# KiCad board AudioYM2151V2.kicad_pcb (continued)
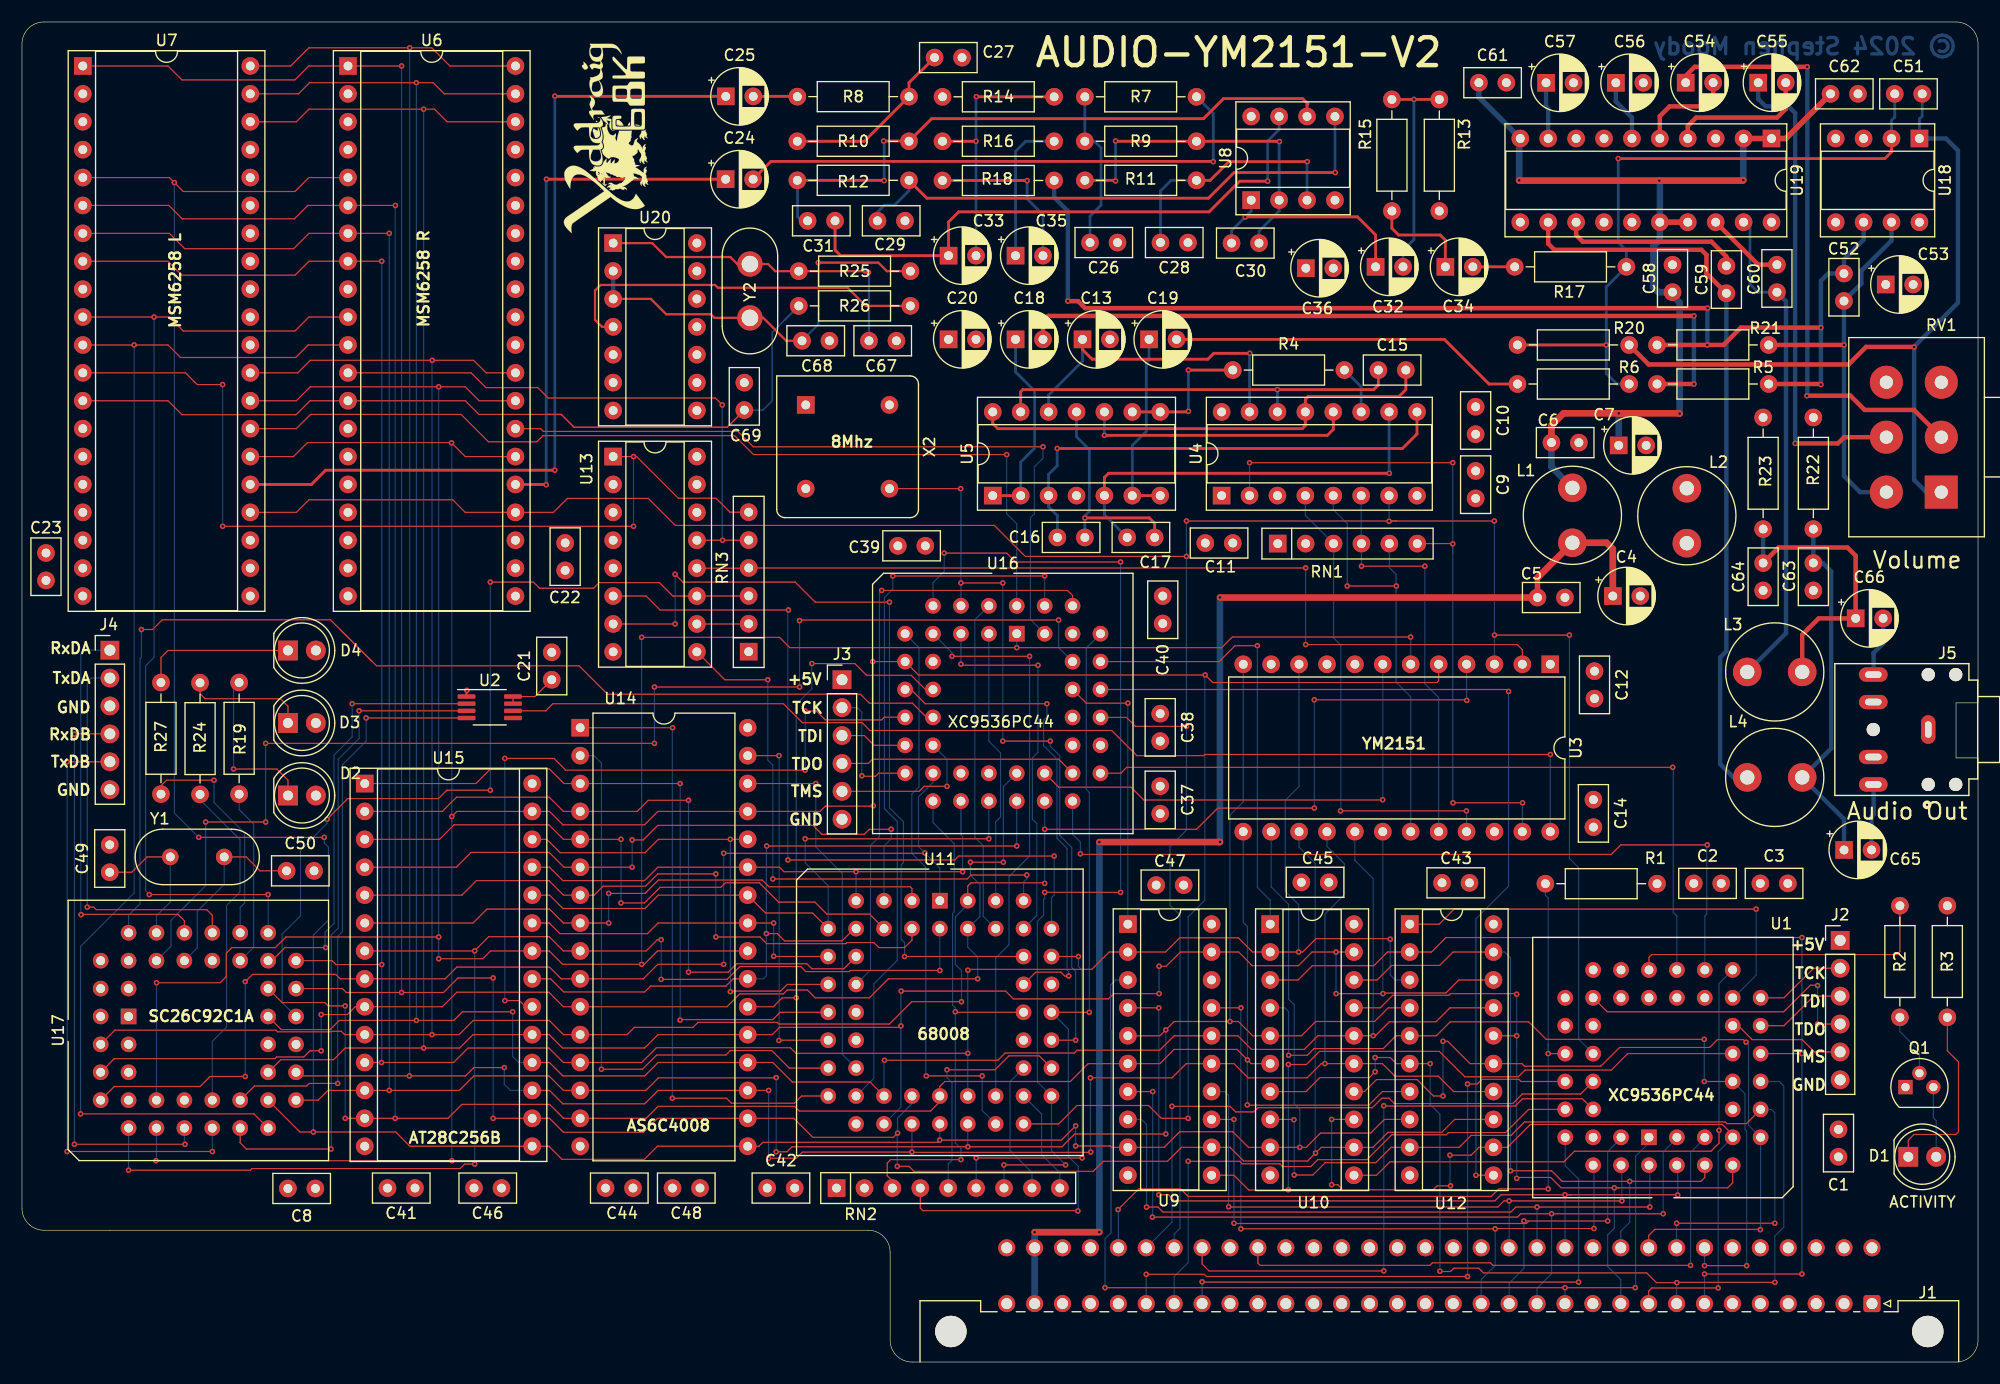
[diagram p0: board, top side]
## Routing (per net, layer and track width the routed paths; a pad name or vN(x,y) marks a point on that pad's centre or on a via; arc(x,y) is an arc through that point) (continued)
/Audio/CPU/~{IPL2}: length 70.3
  Top w0.102: U13.6 56.79,69.74 58.06,68.47 v1(69.75,68.47) ; v1(69.7,45.71) 84.89,45.71 85.24,46.06 v1(93.93,46.06)
  Bottom w0.102: v1(69.75,68.47) 69.7,68.42 v1(69.7,45.71) ; U11.46 93.68,42.26 93.93,42.51 v1(93.93,46.06)
/Audio/CPU/~{RD}: length 250.3
  Top w0.102: U7.28 24.97,87.52 26.24,88.79 v1(37.92,88.79) 40.33,88.79 41.6,87.52 U6.28 ; v1(37.92,38.7) 24.03,38.7 23.06,37.73 19.1,37.73 18.59,37.22 18.59,35.09 18.03,34.53 v1(12.24,34.53) ; U14.24 57.83,37.43 56.62,36.21 v1(56.39,36.21) 49.2,36.21 47.98,37.43 U15.22 42.65,37.43 41.93,36.72 v1(37.92,36.72) ; v1(126.36,66) 110.13,66 109.17,65.04 v1(90.52,65.04) 69.87,65.04 68.93,65.98 v1(56.39,65.98)
  Bottom w0.102: v1(37.92,88.79) v1(37.92,38.7) v1(37.92,36.72) ; v1(56.39,65.98) v1(56.39,36.21) ; v1(126.36,66) 126.38,65.99 U3.6 ; v1(12.24,34.53) 12.24,34.53 U17.10 ; U16.1 v1(90.52,65.04)
/Audio/CPU/~{READ_DATA}: length 40.7
  Top w0.102: U16.37 108.94,63.77 110.39,65.21 v1(112.42,65.21)
  Bottom w0.102: v1(112.42,65.21) 112.42,43.22 113.59,42.05 U10.1
/Audio/CPU/~{READ_REG}: length 25.7
  Top w0.102: v1(100.63,59.98) 96.85,59.98 U16.36
  Bottom w0.102: U9.1 v1(100.63,59.98)
/Audio/CPU/~{RESET}: length 49.4
  Top w0.102: v1(85.44,18.43) 79.04,18.43 78.74,18.12 78.74,16.95 79.21,16.49 RN2.3 ; v1(84.94,31.89) 84.99,31.84 U11.41
  Bottom w0.102: U16.18 82.9,49.11 84.83,47.18 84.83,40.98 84.68,40.83 84.68,32.5 84.94,32.25 v1(84.94,31.89) 84.94,19.95 85.44,19.44 v1(85.44,18.43)
/Audio/CPU/~{SPI_CS}: length 53
  Top w0.102: v1(28.73,25.36) 26.14,25.36 25.91,25.13 21.15,25.13 U17.16 ; U2.4 v1(31.32,58.63)
  Bottom w0.102: v1(28.73,25.36) 28.73,38.75 29.16,39.18 29.16,54.37 31.32,56.53 v1(31.32,58.63)
/Audio/CPU/~{VPA}: length 44
  Top w0.102: U16.11 80.9,61.23 82.19,59.93 v1(93.27,59.93) ; v1(95.25,35.14) 94.89,35.14 94.54,35.5 92.26,35.5 U11.43
  Bottom w0.102: v1(95.25,35.14) 95.25,35.55 95.1,35.7 95.1,46.77 94.18,47.69 94.18,54.9 92.96,56.12 92.96,58.42 93.27,58.72 v1(93.27,59.93)
/Audio/CPU/~{WR}: length 284.8
  Top w0.102: U6.26 40.33,82.44 v1(39.09,83.68) 39.06,83.71 25.98,83.71 24.71,82.44 U7.26 ; v1(12.19,18.33) v1(39.11,18.33) ; v1(39.11,49.67) 39.57,50.13 U15.27 48,50.13 49.22,48.91 56.64,48.91 57.86,50.13 U14.29 72.62,50.13 73.1,50.61 77.44,50.61 v1(77.47,50.64) ; U3.5 128.91,62.03 128.75,61.86 108.36,61.86 v1(107.67,62.55) 81.58,62.55 U16.9 v1(77.42,63.77) ; U11.33 94.33,21.68 96.01,23.36 102.51,23.36 103.68,22.19 v1(106.12,22.19)
  Bottom w0.102: v1(39.09,83.68) 39.11,83.66 39.11,49.21 ; v1(39.11,18.33) 39.11,49.21 ; 39.11,49.21 v1(39.11,49.67) ; v1(77.47,50.64) 77.47,63.72 v1(77.42,63.77) ; v1(12.19,18.33) 12.24,18.38 U17.9 ; v1(107.67,62.55) 107.64,62.52 107.64,42.05 106.12,40.53 v1(106.12,22.19)
/Audio/YM2151/BC: length 38
  Top w0.254: C15.2 123.43,88.95 123.01,88.53 v1(114.25,88.53) 91.08,88.53 90.88,88.33 U5.13
  Bottom w0.254: U4.14 v1(114.25,88.53)
/Audio/YM2151/CH1: length 44.1
  Top w0.254: U4.9 126.95,84.49 125.63,83.17 v1(94.21,83.17)
  Bottom w0.254: v1(94.21,83.17) 94.21,81.6 93.42,80.81 U5.3 93.42,77.86 94.22,77.06 C16.2
/Audio/YM2151/CH2: length 38
  Top w0.254: v1(124.43,80.91) 98.88,80.91 98.5,80.53 U5.5
  Bottom w0.254: C17.2 98.5,77.14 U5.5 ; U4.10 124.41,80.94 v1(124.43,80.91)
/Audio/YM2151/MP: length 43.5
  Top w0.254: C15.1 125.93,88.53 125.3,87.9 117.04,87.9 116.79,87.64 U4.13 116.79,85.26 116.51,84.98 88.8,84.98 88.34,85.43 U5.14
/Audio/YM2151/RB: length 30
  Top w0.254: C13.1 96.51,92.17 97.38,91.3 107.92,91.3 108.46,91.83 v1(111.73,91.83)
  Bottom w0.254: v1(111.73,91.83) 111.71,91.81 U4.15 ; C13.1 96.51,91.11 93.42,88.02 U5.12
/D0: length 95.9
  Top w0.102: v1(161.97,38.65) 129.59,38.65 128.27,37.33 U12.2 124.26,37.33 123.01,36.08 117.42,36.08 116.13,34.79 U10.3 ; v1(161.97,8.01) v1(153.11,8.01) ; U1.13 v1(161.97,28.08)
  Bottom w0.102: v1(161.97,38.65) v1(161.97,28.08) v1(161.97,8.01) ; v1(153.11,8.01) J1.A7
/D1: length 74.7
  Top w0.102: U1.12 v1(153.08,25.54) ; v1(115.26,27.93) 116.97,27.93 117.58,28.54 123.87,28.54 125.04,29.71 U12.5 128.7,29.71 129.97,30.98 137.11,30.98 138.71,29.38 v1(153.08,29.38) ; v1(156.95,8.78) v1(153.11,8.78)
  Bottom w0.102: v1(115.26,27.93) 115.26,31.89 114.91,32.25 U10.4 ; v1(153.08,25.54) v1(153.08,29.38) ; v1(156.95,8.78) 156.95,21.02 156.79,21.17 156.79,24.42 U1.12 ; v1(153.11,8.78) J1.C7
/D2: length 89.7
  Top w0.102: v1(123.14,27.72) 124.51,27.72 125.07,27.17 U12.6 v1(128.14,27.17) ; v1(129.03,8.27) 129.06,8.24 130,8.24 130.3,8.55 132.56,8.55 132.99,8.12 147.85,8.12 148.74,7.23 v1(150.6,7.23) 150.62,7.25 v1(159.51,7.25) ; U10.7 116.84,24.63 118.11,25.9 122.6,25.9 v1(123.14,26.43)
  Bottom w0.102: v1(159.51,7.25) 159.51,11.47 160.32,12.28 160.32,25.13 159.92,25.54 U1.11 ; v1(150.6,7.23) 150.57,7.2 J1.A8 ; v1(123.14,27.72) v1(123.14,26.43) ; v1(129.03,8.27) 129.03,22.57 128.14,23.46 v1(128.14,27.17)
/D3: length 74.9
  Top w0.102: U1.9 156.92,21.7 155.14,21.7 154.99,21.86 136.73,21.86 135.51,20.64 131.88,20.64 130.78,19.55 U12.9 124.59,19.55 123.19,18.15 118.59,18.15 117.47,17.03 v1(115.77,17.03) ; v1(159.51,12.64) v1(150.57,12.64) ; v1(115.75,22.06) 115.72,22.09 U10.8
  Bottom w0.102: U1.9 159.21,23 159.51,22.7 v1(159.51,12.64) ; v1(150.57,12.64) J1.C8 ; v1(115.75,22.06) 115.77,22.03 v1(115.77,17.03)
/D4: length 71.3
  Top w0.102: v1(119.18,16.14) 119.73,16.14 120.19,15.68 128.42,15.68 128.78,16.04 v1(130,16.04) ; U1.8 155.68,20.69 154.74,21.63 137.26,21.63 135.18,19.55 U12.12 132.59,19.55 131.88,18.83 v1(129.95,18.83) ; v1(119.18,22.09) U10.13 ; v1(154.35,6.74) 148.31,6.74 148.03,6.46 J1.A9
  Bottom w0.102: v1(154.35,6.74) 154.35,19.14 U1.8 ; v1(130,16.04) 129.95,16.09 v1(129.95,18.83) ; v1(119.18,16.14) v1(119.18,22.09)
/D5: length 72.9
  Top w0.102: v1(156.89,29.12) 156.67,29.35 154.28,29.35 153.57,28.64 145.39,28.64 143.69,26.94 136.73,26.94 136.5,27.17 U12.15 131.77,27.17 129.74,29.2 v1(129.31,29.2) ; U10.14 122.17,24.63 123.26,25.72 126.95,25.72 128.45,24.22 v1(129.31,24.22) ; J1.C9 148.03,11.52 148.59,12.08 158.16,12.08 v1(158.19,12.05)
  Bottom w0.102: v1(129.31,24.22) v1(129.31,29.2) ; v1(158.19,12.05) 158.22,12.08 U1.7 157.12,21.55 157.12,28.89 v1(156.89,29.12)
/D6: length 68.7
  Top w0.102: 145.29,15.86 v1(144.91,15.86) ; 145.29,15.86 155.22,15.86 155.68,16.32 U1.6 ; 145.29,15.86 140.05,15.86 139.11,16.8 135.99,16.8 ; U10.17 123.6,32.25 124.74,33.39 129.85,33.39 130,33.54 135.97,33.54 v1(136.02,33.49) ; v1(136.02,29.71) U12.16
  Bottom w0.102: v1(144.91,15.86) 144.91,12.18 144.3,11.57 144.3,8.7 145.49,7.51 J1.A10 ; 136.02,28.66 v1(136.02,33.49) ; 136.02,28.66 v1(136.02,29.71) ; 136.02,28.66 136.02,16.83 135.99,16.8
  vias: v1(136.02,16.73)
/D7: length 61
  Top w0.102: 146.63,16.45 v1(146.3,16.45) ; 146.63,16.45 152.78,16.45 153.14,16.8 U1.4 ; 146.63,16.45 140.16,16.45 139.19,17.41 v1(135.46,17.41) ; U12.19 130.22,37.33 129.01,36.11 124.64,36.11 123.32,34.79 U10.18
  Bottom w0.102: J1.C10 145.49,11.9 146.3,12.71 v1(146.3,16.45) ; U12.19 134.92,37.33 135.46,36.79 v1(135.46,17.41)
/LATCH_DATA: length 50.7
  Top w0.102: U10.11 123.26,17.01 124.48,18.22 140.31,18.22 141.27,19.19 153.69,19.19 154.43,19.93 v1(154.43,21.09)
  Bottom w0.102: U1.18 154.43,34.46 v1(154.43,21.09)
/LATCH_REG: length 61.7
  Top w0.102: v1(115.24,27.09) 116.89,27.09 118.08,28.28 128.98,28.28 131.29,25.97 136.17,25.97 136.78,26.58 144.63,26.58 146.12,28.08 U1.14 ; v1(115.24,15.68) 115.21,15.66 111.63,15.66 110.29,17.01 U9.11
  Bottom w0.102: v1(115.24,15.68) v1(115.24,27.09)
/LED: length 28.4
  Top w0.102: R2.2 170.89,37.38 170.61,37.1 148.31,37.1 148.06,36.84 U1.24
/R~{W}: length 50.2
  Top w0.102: v1(106.12,18.28) 110.82,18.28 111.05,18.05 114.45,18.05 114.71,17.79 117.28,17.79 117.92,18.43 122.39,18.43 124.65,20.69 129.62,20.69 129.82,20.89 135,20.89 137.11,23 U1.37
  Bottom w0.102: J1.A26 104.85,7.79 106.12,9.06 v1(106.12,18.28)
/SYS_CLK: length 53.3
  Top w0.102: J1.C23 112.47,9 112.67,8.8 128.12,8.8 128.34,9.03 133.63,9.03 133.86,8.8 v1(151.84,8.8)
  Bottom w0.102: v1(151.84,8.8) 151.84,19.09 153.21,20.46
/~{ACK_68K}: length 70.9
  Top w0.102: U16.29 100,53.61 100.53,54.14 v1(150.21,54.14)
  Bottom w0.102: v1(150.21,54.14) 150.27,54.09 150.27,40.93 150.6,40.6 U1.22
/~{CS_68K}: length 74
  Top w0.102: v1(96.32,46.27) 96.37,46.22 144.63,46.22 145.49,47.08 v1(153.36,47.08)
  Bottom w0.102: U16.28 95.6,48.04 96.32,47.33 v1(96.32,46.27) ; v1(153.36,47.08) 153.31,47.03 153.31,40.78 153.14,40.6 U1.20
/~{CS_DATA}: length 53.9
  Top w0.102: v1(104.65,23.28) 109.93,23.28 110.44,22.77 112.06,22.77 112.44,23.15 122.88,23.15 123.75,24.02 124.41,24.02 124.89,23.53 135.66,23.53 136.52,24.4 141.83,24.4 U1.36
  Bottom w0.102: J1.C27 104.65,12.74 v1(104.65,23.28)
/~{CS_REG}: length 58.7
  Top w0.102: v1(102.31,7.99) 107.59,7.99 107.8,7.79 v1(131.55,7.79) ; v1(131.55,25.31) 132.43,25.31 132.87,25.74 136.21,25.74 136.41,25.54 U1.35
  Bottom w0.102: v1(131.55,25.31) v1(131.55,7.79) ; v1(102.31,7.99) J1.A27
/~{DTACK}: length 74.3
  Top w0.102: v1(99.74,13.88) 101.62,15.76 105.43,15.76 106.12,15.08 133.7,15.08 134.39,15.76 v1(138.89,15.76) ; U1.33 v1(138.89,28.08)
  Bottom w0.102: v1(99.74,13.88) 99.77,13.86 J1.C28 ; 138.89,28.94 v1(138.89,15.76) ; 138.89,28.94 138.89,42.25 138.63,42.51 R1.1 ; 138.89,28.94 v1(138.89,28.08)
/~{LDS}: length 49.9
  Top w0.102: v1(141.65,7.28) 107.42,7.28 v1(107.39,7.3)
  Bottom w0.102: U1.39 140.44,17.87 141.65,16.65 v1(141.65,7.28) ; v1(107.39,7.3) J1.A25
/~{READ_STATUS}: length 41
  Top w0.102: U12.1 128.95,39.87 130.33,41.24 v1(157.81,41.24)
  Bottom w0.102: v1(157.81,41.24) 157.81,35.22 155.75,33.16
/~{RESET}: length 254.3
  Top w0.102: v1(105.97,73.34) 91.31,73.34 88.49,76.16 59.46,76.16 57,78.63 49.63,78.63 48.36,77.36 U6.24 40.33,77.36 39.19,78.5 26.11,78.5 24.97,77.36 U7.24 ; U16.33 100.51,58.69 101.32,57.87 v1(105.97,57.87) ; v1(133.98,76.57) 125.09,76.57 ; 125.09,76.57 124.43,76.57 v1(124.41,76.54) ; 125.09,76.57 v1(105.97,76.57) ; v1(140.82,66.18) v1(134,66.18)
  Bottom w0.102: J1.C26 104.85,11.65 105.38,12.18 105.38,40.68 104.47,41.59 104.47,46.93 105.97,48.43 v1(105.97,57.87) v1(105.97,73.34) v1(105.97,76.57) ; v1(133.98,76.57) 134,76.56 v1(134,66.18) 134,63.53 ; v1(124.41,76.54) U4.7 ; U1.34 141.65,29.4 141.65,45 140.82,45.83 v1(140.82,66.18)
/~{UDS}: length 53
  Top w0.102: v1(123.93,8.29) 108.03,8.29 107.39,8.93 J1.C25 ; U1.38 142.01,23.97 136.55,23.97 135.89,23.3 123.95,23.3 v1(123.93,23.33)
  Bottom w0.102: v1(123.93,23.33) v1(123.93,8.29)
Net-(C18-Pad2): length 70.6
  Top w0.4: v1(152.14,95.24) 93.39,95.24 92.91,94.75 C18.2 ; v1(152.14,89.04) R5.1
  Bottom w0.4: v1(152.14,95.24) v1(152.14,89.04)
Net-(C19-Pad2): length 32.7
  Top w0.254: R6.1 133.5,89.04 129.44,93.1 C19.2
Net-(C24-Pad2): length 49.1
  Top w0.254: C24.2 68.16,109.31 108.38,109.31 v1(108.41,109.28)
  Bottom w0.254: R7.2 108.41,113.66 v1(108.41,109.28)
Net-(C25-Pad2): length 4
  Top w0.254: C25.2 70.53,115.23 R8.1
Net-(C26-Pad1): length 14.8
  Bottom w0.254: R7.1 R9.1 97.61,111.14 98.2,110.55 98.2,105.32 97.19,104.32 C26.1
Net-(C27-Pad1): length 16.4
  Top w0.254: C27.1 81.67,117.39 81.63,117.39 80.72,116.47 R8.2 76.66,111.14 R10.1
Net-(C30-Pad1): length 20.1
  Top w0.254: v1(111.31,104.24) 111.33,104.25 121.54,104.25 123.18,102.61 C32.1
  Bottom w0.254: C30.1 110.07,103 v1(111.31,104.24) 111.86,104.79 U8.1
Net-(C31-Pad2): length 53.2
  Top w0.254: C31.2 73.99,101.23 74.5,100.72 C33.1 84.32,103.79 85.24,104.71 108.03,104.71 110.82,107.51 v1(113.36,107.51)
  Bottom w0.254: v1(113.36,107.51) 113.36,111.16 114.4,112.2 U8.7
Net-(C32-Pad2): length 20
  Top w0.254: R13.2 v1(126.67,114.95) R15.1
  Bottom w0.254: C32.2 125.68,101.21 126.67,102.2 v1(126.67,114.95)
Net-(C33-Pad2): length 24.6
  Top w0.254: R14.2 86.86,115.19 v1(86.84,115.2) ; R16.1 v1(86.82,111.14)
  Bottom w0.254: v1(86.84,115.2) 86.82,115.18 v1(86.82,111.14) C33.2
Net-(C34-Pad1): length 9.3
  Top w0.254: C34.1 129.53,102.13 129.06,102.6 125.27,102.6 124.66,103.21 R15.2
Net-(C34-Pad2): length 3.8
  Top w0.254: C34.2 R17.1
Net-(C35-Pad1): length 13.4
  Bottom w0.254: C35.1 90.41,110.21 91.34,111.14 R16.2
Net-(C35-Pad2): length 15.1
  Top w0.254: R18.1 91.45,107.57 v1(91.46,107.56)
  Bottom w0.254: C35.2 92.91,104.46 91.46,105.91 v1(91.46,107.56)
Net-(C51-Pad2): length 70.1
  Top w0.4: R20.2 148.03,90.82 166.22,90.82 167.82,92.42 172.16,92.42 v1(172.19,92.39)
  Bottom w0.254: C51.2 172.92,113.42 172.67,113.17 U18.1
  Bottom w0.4: U18.1 175.08,111.39 176.17,110.3 176.17,96.43 172.16,92.42 v1(172.19,92.39) 172.19,80.3 173.29,79.2 RV1.1
Net-(C52-Pad2): length 36.2
  Top w0.4: R21.2 v1(165.8,92.6)
  Bottom w0.4: U18.7 170.13,102.1 167.38,99.35 167.38,98.18 C52.2 v1(165.8,92.6) 165.8,80.67 167.27,79.2 RV1.4
Net-(C54-Pad1): length 55.8
  Top w0.4: v1(162.46,117.92) 152.22,117.92 151.4,117.1 C54.1 ; RV1.2 172.18,86.68 167.69,86.68 166.39,87.97 v1(162.43,87.97)
  Bottom w0.4: v1(162.46,117.92) 162.47,117.91 162.47,88.01 v1(162.43,87.97)
Net-(C55-Pad1): length 44
  Top w0.4: v1(161.37,83.63) 165.25,83.63 165.82,84.2 RV1.5
  Bottom w0.4: v1(161.37,83.63) 161.37,113.7 160.76,114.31 158.67,114.31 158,114.98 C55.1
Net-(C63-Pad2): length 33.1
  Bottom w0.4: R22.1 C63.2 163.87,72.74 164.64,71.97 164.64,55.87 L4.2 165.81,49.42 C65.1
Net-(C64-Pad2): length 27
  Top w0.4: L3.2 162,66.21 163.5,67.7 C66.1 166.87,73.4 166.11,74.16 159.86,74.16 C64.2
  Bottom w0.4: C64.2 R23.1
Net-(C65-Pad2): length 6.1
  Bottom w0.4: C65.2 168.31,49.67 168.5,49.86 168.5,52.6
Net-(C66-Pad2): length 5.5
  Bottom w0.4: 168.5,62.6 168.5,64.51 168.48,64.53 169.37,65.42 C66.2
Net-(C67-Pad1): length 30.6
  Top w0.2: U20.1 57.35,101.87 58.62,100.6 64.46,100.6 65.1,99.96 Y2.2 67.89,99.96 68.54,99.31 R25.1 76.54,99.31 76.66,99.2 v1(77.04,99.2)
  Bottom w0.2: C67.1 77.08,99.16 v1(77.04,99.2)
Net-(C68-Pad1): length 37.7
  Top w0.2: U20.3 57.22,96.79 58.62,95.39 62.69,95.39 63.01,95.06 Y2.1 67.46,95.06 69.54,92.98 C68.1 ; R25.2 78.7,99.31 77.93,100.09 v1(72.47,100.09)
  Bottom w0.2: C68.1 72.47,94.46 v1(72.47,100.09)
  Bottom w0.4: U20.3 U20.2
Net-(D1-A): length 6.5
  Bottom w0.102: Q1.3 173.94,22.24 174.19,21.98 D1.2
Net-(D1-K): length 17.2
  Top w0.102: D1.1 171.65,20.21 172.16,20.71 175.97,20.71 176.22,20.97 176.22,27.32 175.21,28.33 R3.1
Net-(D2-K): length 14.7
  Top w0.102: D2.1 24.2,52.97 23.19,53.99 v1(19.25,53.99) 19.26,54
  Bottom w0.102: 19.25,61.86 v1(19.25,53.99)
Net-(D3-K): length 11
  Top w0.102: R24.1 16.2,60.85 16.66,60.39 23.52,60.39 24.2,59.7 D3.1
Net-(D4-K): length 14.1
  Top w0.102: D4.1 13.28,64.78 12.65,64.15 R27.1
Net-(J2-Pin_2): length 8.3
  Top w0.102: J2.2 163.04,35.85 160.35,33.16 158.29,33.16
Net-(J2-Pin_3): length 8.3
  Top w0.102: 158.29,30.62 160.35,30.62 163.04,33.31 J2.3
Net-(J2-Pin_4): length 27.5
  Top w0.102: v1(163.4,30.77) J2.4 ; U1.30 144.25,31.89 160.32,31.89 162.74,34.3 163.37,34.3 v1(163.4,34.28)
  Bottom w0.102: v1(163.4,34.28) v1(163.4,30.77)
Net-(J2-Pin_5): length 10.7
  Top w0.102: 155.75,30.62 156.18,30.62 157.45,29.35 162,29.35 163.12,28.23 J2.5
Net-(J3-Pin_2): length 11.8
  Top w0.102: v1(76.43,53.38) 76.48,53.33 77.67,53.33 77.95,53.61 U16.17
  Bottom w0.102: v1(76.43,53.38) 76.43,59.17 76.02,59.58 J3.2
Net-(J3-Pin_3): length 6.1
  Top w0.102: J3.3 76.66,57.04 77.54,56.15 U16.15
Net-(J3-Pin_4): length 21.7
  Top w0.102: J3.4 77.01,54.5 77.39,54.88 94.33,54.88 U16.30
Net-(J3-Pin_5): length 14
  Top w0.102: v1(84.17,52.41) 82.09,52.41 81.63,51.96 J3.5
  Bottom w0.102: U16.16 84.17,54.88 v1(84.17,52.41)
Net-(J4-Pin_1): length 37.3
  Top w0.102: U17.35 14.78,40.17 14.2,40.75 5.41,40.75 v1(5.38,40.73)
  Bottom w0.102: J4.1 5.71,64.81 5.36,64.45 5.36,40.75 v1(5.38,40.73)
Net-(J4-Pin_2): length 36
  Top w0.102: U17.33 17.32,40.68 16.81,41.19 6.76,41.19 6.53,41.42 v1(5.94,41.42)
  Bottom w0.102: v1(5.94,41.42) 5.94,61.89 6.32,62.27 J4.2
Net-(J4-Pin_4): length 52.1
  Top w0.102: v1(14.83,19.82) v1(4.77,19.82) ; J4.4 4.8,57.19 v1(4.77,57.16)
  Bottom w0.102: v1(4.77,19.82) v1(4.77,57.16) ; U17.11 14.78,19.88 v1(14.83,19.82)
Net-(J4-Pin_5): length 54.7
  Top w0.102: v1(17.32,19.16) v1(4.11,19.16) ; v1(4.11,54.65) J4.5
  Bottom w0.102: v1(17.32,19.16) 17.32,19.17 U17.13 ; v1(4.11,19.16) v1(4.11,54.65)
Net-(Q1-B): length 5.8
  Bottom w0.102: Q1.2 172.67,28.31 170.89,30.09 R2.1
Net-(R26-Pad2): length 34.3
  Top w0.2: R26.2 76.78,96.15 75.13,97.8 63.32,97.8 63.07,98.06 52.65,98.06 52.15,97.55 52.15,94.88 52.78,94.25 U20.4
Net-(RN1-R2): length 43.4
  Top w0.102: v1(119.99,50.18) v1(131.44,50.18)
  Bottom w0.102: v1(119.99,50.18) 120.01,50.2 120.01,65.27 119.35,65.93 RN1.3 116.79,77.08 U4.4 ; v1(131.44,50.18) 131.46,50.17 131.46,48.28
Net-(RN1-R3): length 36.9
  Top w0.102: v1(127.66,72.45) v1(121.89,72.45)
  Bottom w0.102: v1(121.89,72.45) RN1.4 121.87,74.54 U4.6 ; v1(127.66,72.45) 127.66,61.76 128.91,60.5 128.91,48.28
Net-(RN1-R4): length 40.3
  Top w0.102: v1(120.6,70.65) v1(125.07,70.65)
  Bottom w0.102: 126.38,48.28 126.38,60.56 125.04,61.89 125.04,71.72 124.43,72.33 RN1.5 ; v1(120.6,70.65) 120.6,76.34 119.33,77.61 U4.5
Net-(RN1-R5): length 65.5
  Top w0.102: v1(130.2,74.49) 130.17,74.51 RN1.6 ; v1(130.22,50.91) v1(136.55,50.91) ; v1(130.2,81.88) v1(111.71,81.88)
  Bottom w0.102: v1(130.22,50.91) 130.2,50.94 130.2,73.6 ; v1(136.55,50.91) 136.53,50.9 136.53,48.28 ; v1(111.71,81.88) U4.2 ; 130.2,73.6 v1(130.2,81.88) ; 130.2,73.6 v1(130.2,74.49)
Net-(RN2-R4): length 21.6
  Top w0.102: v1(84.17,26.61) 88.54,26.61 89.81,27.88 92.57,27.88 U11.36
  Bottom w0.102: v1(84.17,26.61) 84.17,25.9 84.63,25.44 84.63,18.38 84.29,18.03 RN2.5
Net-(RN2-R5): length 33.3
  Top w0.102: v1(96.14,36.92) U11.44 ; v1(96.47,18.58) v1(86.83,18.58)
  Bottom w0.102: v1(96.47,18.58) 96.47,35.67 96.14,36 v1(96.14,36.92) ; v1(86.83,18.58) RN2.6
Net-(RN2-R7): length 12.3
  Bottom w0.102: U11.37 89.91,25.53 89.91,19.24 91.91,17.25 RN2.8
Net-(RN2-R8): length 9.7
  Bottom w0.102: RN2.9 94.45,17.22 92.78,18.89 92.78,22.58 U11.35
Net-(U2-CLK): length 103.7
  Top w0.102: U2.6 47.66,59.28 48.31,59.93 69.29,59.93 71.02,58.2 76.45,58.2 77.16,57.49 99.16,57.49 101.45,55.21 107.54,55.21 107.64,55.31 v1(139.09,55.31)
  Bottom w0.102: v1(139.09,55.31) 139.07,55.29 139.07,48.28
Net-(U4-COM): length 4.4
  Bottom w0.254: U4.11 121.87,88.79 R4.2
Net-(U4-ToBUFF): length 24.8
  Top w0.254: U4.12 119.33,84.9 118.79,84.37 v1(98.5,84.37)
  Bottom w0.254: v1(98.5,84.37) U5.10
Net-(U5A--): length 18
  Top w0.254: U5.1 U5.2
  Bottom w0.254: C18.1 90.41,90.14 92.15,88.41 92.15,83.2 90.88,81.93 U5.2
Net-(U5B--): length 17.4
  Top w0.254: U5.6 U5.7
  Bottom w0.254: U5.6 101.04,83.45 102.31,84.72 102.31,90.97 102.56,91.22 C19.1
Net-(U5C--): length 12.9
  Top w0.254: v1(106.15,86.55) 106.09,86.5 U5.8 U5.9 ; v1(106.15,90.31) R4.1
  Bottom w0.254: v1(106.15,86.55) v1(106.15,90.31)
Net-(U6-DAOUT): length 46.9
  Top w0.254: v1(47.7,79.87) 47.67,79.9 U6.25 ; v1(47.73,107.68) C24.1
  Bottom w0.254: v1(47.73,107.68) 47.7,107.66 v1(47.7,79.87)
Net-(U6-XT): length 75.7
  Top w0.102: 48.11,86.27 41.58,86.27 40.33,87.52 U6.13 26.21,87.52 24.94,86.25 14.55,86.25 13.28,87.52 U7.13
  Top w0.127: 47.83,86.27 49.07,86.27 50.24,85.1 64.17,85.1 C69.1
  Bottom w0.127: C69.1 67.43,86.67 68.27,87.52 68.27,93.74 69.42,94.88
  Bottom w0.2: R26.1 69.42,94.88
Net-(U7-DAOUT): length 77.9
  Top w0.254: C25.1 48.51,115.23 v1(48.49,115.25) ; v1(48.49,81.19) 27.63,81.19 26.34,79.9 U7.25
  Bottom w0.254: v1(48.49,81.19) v1(48.49,115.25)
Net-(U8A-+): length 22.7
  Top w0.254: v1(116.97,109.28) 109.83,109.28 108.13,107.58 R11.2
  Bottom w0.254: R11.2 104.57,107.58 103.61,106.62 C28.1 ; v1(116.97,109.28) 116.94,109.26 U8.3
Net-(U8A--): length 31.4
  Top w0.254: v1(99.52,111.16) 99.54,111.14 R9.2 114.4,111.14 v1(114.43,111.11) ; v1(99.52,107.53) 99.47,107.58 R11.1
  Bottom w0.254: v1(99.52,107.53) v1(99.52,111.16) ; C30.2 112.57,102.96 114.4,104.79 U8.2 114.4,111.09 v1(114.43,111.11)
Net-(U8B-+): length 51
  Top w0.254: v1(119.51,108.29) 110.31,108.29 107.97,105.96 82.35,105.96 R12.2
  Bottom w0.254: R12.2 80.72,106.64 79.4,105.32 78.48,105.32 77.85,104.69 C29.1 ; v1(119.51,108.29) 119.48,108.32 U8.5
Net-(U8B--): length 57.5
  Top w0.254: v1(78.46,107.56) 78.43,107.58 R12.1 ; v1(78.41,111.16) 80.69,111.16 R10.2 82.78,113.2 107.52,113.2 109.35,115.02 116.53,115.02 117.02,114.54 116.94,114.47 U8.6
  Bottom w0.254: v1(78.41,111.16) 78.46,111.11 v1(78.46,107.56) ; R12.1 70.57,107.57 70.57,104.28 70.96,103.9
  Bottom w0.4: C31.1 70.96,103.9
Net-(U17-OP0): length 16.2
  Bottom w0.102: U17.32 21.08,37.76 21.08,48.98 19.76,50.31 R19.2
Net-(U17-OP1): length 30.6
  Bottom w0.102: 15.72,51.68 19.84,47.56 19.84,42.79 18.62,41.57 18.62,30.49 17.32,29.2 U17.14
Net-(U17-OP2): length 21.2
  Top w0.102: v1(17.47,52.97) 13.16,52.97 12.27,52.08 12.27,51.7
  Bottom w0.102: U17.31 19.86,41.39 20.27,41.8 20.27,48.15 17.47,50.94 v1(17.47,52.97)
Net-(U17-X1/CLK): length 17.8
  Top w0.102: C50.1 21.67,44.72 20.39,45.99 Y1.2
  Bottom w0.102: 18.4,46.6 18.4,43.48 15.95,41.03 15.95,37.71 U17.36
Net-(U17-X2): length 14.1
  Top w0.102: Y1.1 11.38,45.99 9.98,44.59 C49.1
  Bottom w0.102: U17.37 12.24,40.63 13.5,41.89 13.5,46.6
Net-(U19-BSL): length 7.2
  Top w0.4: U19.18 158,99.9 C60.2
Net-(U19-BSR): length 16.5
  Top w0.4: C59.2 155.1,100.64 153.75,101.99 142.04,101.99 141.43,102.6 U19.13
Net-(U19-BYPASS): length 5.7
  Bottom w0.4: U19.6 146.51,113.3 145.04,114.76 C56.1
Net-(U19-LIN): length 13.1
  Top w0.4: U19.4 151.59,112.53 152.35,113.3 159.71,113.3 160.5,114.08 C55.2
Net-(U19-LOUT): length 45
  Bottom w0.254: C60.1 157.98,97.4 157.25,98.13 157.25,103.19 U19.19
  Bottom w0.4: L3.1 160.53,66.35 160.53,96.57 C60.1
Net-(U19-RIN): length 9.1
  Top w0.4: U19.5 149.05,113.42 149.94,114.31 153.36,114.31 153.9,114.85 C54.2
Net-(U19-ROUT): length 67.1
  Top w0.4: C59.1 153.29,99.11 153.29,100.8 152.83,101.26 139.44,101.26 138.89,101.82 U19.12
  Bottom w0.4: C59.1 155.1,64.72 154.53,64.15 154.53,54.45 155.75,53.23 L4.1
Net-(U19-VCLAMP): length 5.2
  Bottom w0.4: C57.1 138.69,114.31 138.89,114.12 U19.9

## Copper pours and planes (outline as drawn; the poured copper is in the pictures)
+5V on In2.Cu: -2.59,124.09 -2.59,6.24 75.64,6.24 75.64,-2.4 180.8,-2.4 180.8,124.09
GND on In1.Cu: 165.05,55 163.52,57.04 163.52,66.18 162,67.7 155.4,67.7 153.36,69.74 153.36,75.32 152.35,76.34 125.93,76.34 124.41,77.86 124.41,80.91 123.39,81.93 85.8,81.93 82.24,85.48 82.24,95.64 78.69,99.71 78.69,123.08 -1.58,123.08 -1.58,8.27 77.16,8.27 77.16,-0.37 179.27,-0.37 179.27,55
GNDA on In1.Cu: 178.76,56.02 166.57,56.02 165.05,57.54 165.05,67.7 164.03,68.72 155.9,68.72 154.38,70.24 154.38,76.34 153.36,77.36 126.44,77.36 125.42,78.37 125.42,81.93 124.41,82.94 86.31,82.94 83.26,85.99 83.26,96.15 79.7,100.22 79.7,123.08 178.76,123.08

## Text on the board
Bottom: © 2024 Stephen Moody
F.Silkscreen: XC9536PC44 | ACTIVITY | RxDB | RxDA | TxDB | TxDA | GND | SC26C92C1A | AT28C256B | AS6C4008 | +5V | TMS | TDO | TCK | TDI | 8Mhz | 68008 | YM2151 | MSM6258 L | MSM6258 R | Audio Out | Volume | AUDIO-YM2151-V2
